# KiCad board cynthion.kicad_pcb
title: ${TITLE}; date: ${DATE}; rev: ${VERSION}; company: ${COPYRIGHT}; note: ${LICENSE}
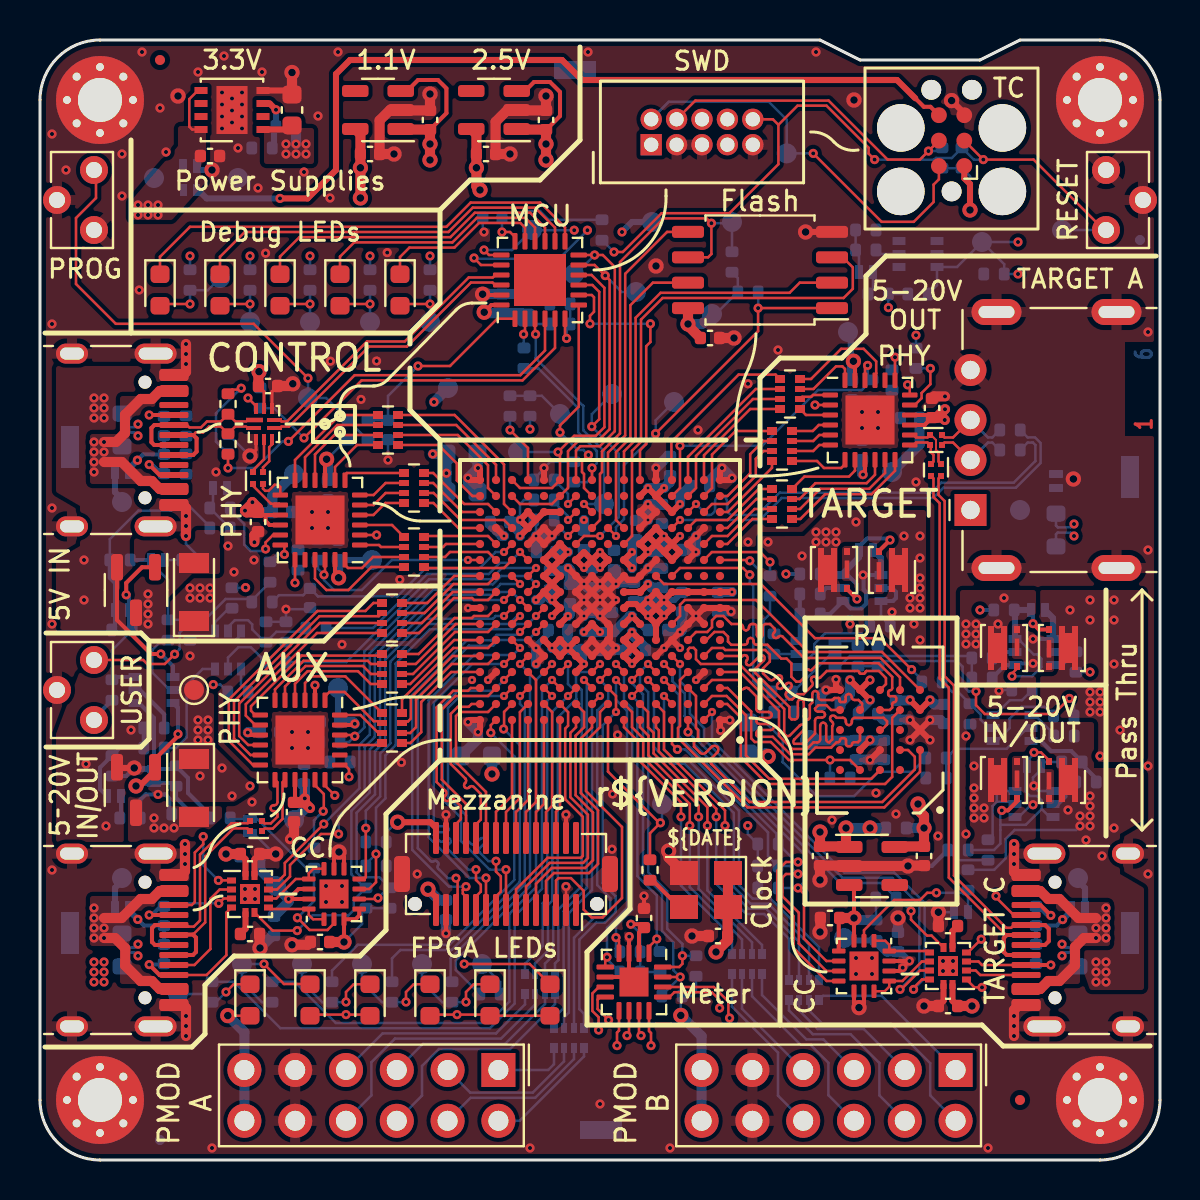
[diagram p0: board, top side]
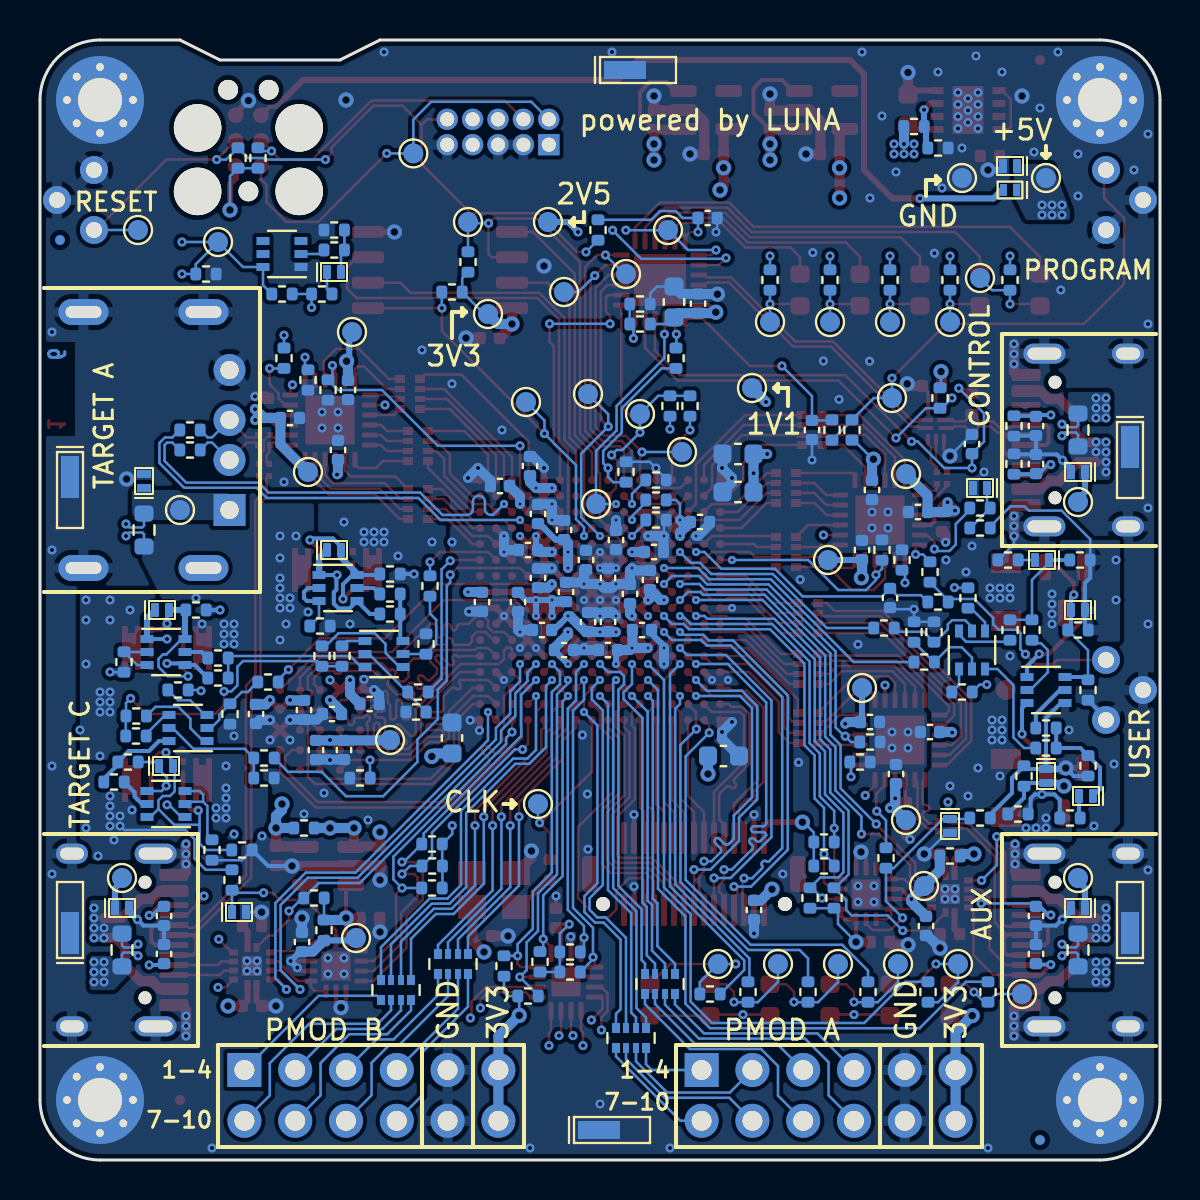
[diagram p1: board, bottom side, seen from below]

Outline 56 x 56 mm; copper layers: Top, In1.Cu, In2.Cu, In3.Cu, In4.Cu, Bottom. Coordinates in mm from the lower left corner of the outline.
Outline path: 0,53 0,3 arc(0.88,0.88) 3,0 53,0 arc(55.12,0.88) 56,3 56,53 arc(55.12,55.12) 53,56 49,56 47,55 41,55 39,56 3,56 arc(0.88,55.12) 0,53
Stack: Top 0.035mm / dielectric 0.0994mm 3313 er 4.05 / In1.Cu 0.0152mm / dielectric 0.55mm FR4 er 4.6 / In2.Cu 0.0152mm / dielectric 0.1088mm 2116 er 4.25 / In3.Cu 0.0152mm / dielectric 0.55mm FR4 er 4.6 / In4.Cu 0.0152mm / dielectric 0.0994mm 3313 er 4.05 / Bottom 0.035mm

## Placement (name value [footprint] x y rotation side)
C1  2.2uF  [C_0603_1608Metric]  21.1 35.3 0 bottom
C2  2.2uF  [C_0603_1608Metric]  21.83 20.2 180 bottom
C3  2.2uF  [C_0603_1608Metric]  21.1 33.4 0 bottom
C4  2.2uF  [C_0603_1608Metric]  35.4 21.1 90 bottom
C5  1uF  [C_0402_1005Metric]  41.4 22.3 0 bottom
C6  1uF  [C_0402_1005Metric]  8.5 50.2 0 top
C7  0.1uF  [C_0402_1005Metric]  28.7 30 270 bottom
C8  1uF  [C_0402_1005Metric]  25.3 30.4 180 bottom
C9  0.1uF  [C_0402_1005Metric]  28.6 26.9 90 bottom
C10  0.1uF  [C_0402_1005Metric]  33.9 11.2 180 top
C11  0.1uF  [C_0402_1005Metric]  27.2 31 90 bottom
C12  0.1uF  [C_0402_1005Metric]  31.1 29.1 90 bottom
C13  1uF  [C_0402_1005Metric]  27.6 26.9 90 bottom
C14  0.1uF  [C_0402_1005Metric]  27.6 25.5 0 bottom
C15  0.1uF  [C_0402_1005Metric]  30.9 26.5 0 bottom
C16  1uF  [C_0402_1005Metric]  25.5 29 90 bottom
C17  1uF  [C_0402_1005Metric]  27.6 29.1 270 bottom
C18  1uF  [C_0402_1005Metric]  29.8 25.5 180 bottom
C19  1uF  [C_0402_1005Metric]  29.7 28.4 90 bottom
C20  2.2uF  [C_0603_1608Metric]  12.6 52.5 90 top
C21  1uF  [C_0402_1005Metric]  42.2 20.5 270 bottom
C22  1uF  [C_0402_1005Metric]  31.1 32.3 90 bottom
C23  1uF  [C_0402_1005Metric]  33 33.7 0 bottom
C24  0.1uF  [C_0402_1005Metric]  26.5 28.3 90 bottom
C25  330pF  [C_0402_1005Metric]  6.2 36.7 270 bottom
C26  0.1uF  [C_0402_1005Metric]  29.8 31.5 90 bottom
C27  0.1uF  [C_0402_1005Metric]  19.5 52 90 top
C28  1uF  [C_0402_1005Metric]  25.3 52 90 top
C29  1uF  [C_0402_1005Metric]  16.5 50.3 0 top
C30  1uF  [C_0402_1005Metric]  22.3 50.3 0 top
C31  0.1uF  [C_0402_1005Metric]  45.2 22.3 270 bottom
C32  0.1uF  [C_0402_1005Metric]  39.52 22.8 180 bottom
C33  0.1uF  [C_0402_1005Metric]  31.6 30.5 0 bottom
C34  1uF  [C_0402_1005Metric]  23.1 42.82 90 bottom
C35  0.1uF  [C_0402_1005Metric]  33.5 41.1 0 top
C36  1uF  [C_0402_1005Metric]  12.1 32.4 0 bottom
C37  1uF  [C_0402_1005Metric]  14.9 30.5 90 bottom
C38  0.1uF  [C_0402_1005Metric]  10.9 31.9 270 top
C39  0.1uF  [C_0402_1005Metric]  14.4 33.5 270 bottom
C40  0.1uF  [C_0402_1005Metric]  30.2 12.1 90 top
C41  1uF  [C_0402_1005Metric]  39.5 12.1 180 top
C42  1uF  [C_0402_1005Metric]  43.5 37.1 180 bottom
C43  1uF  [C_0402_1005Metric]  40.6 38.5 270 bottom
C44  0.1uF  [C_0402_1005Metric]  44.6 37.6 90 top
C45  0.1uF  [C_0402_1005Metric]  42.9 10.9 90 bottom
C46  0.1uF  [C_0402_1005Metric]  11.5 21.4 0 bottom
C47  330pF  [C_0402_1005Metric]  6.2 34.8 90 bottom
C48  1uF  [C_0402_1005Metric]  13.2 19.3 90 bottom
C49  1uF  [C_0402_1005Metric]  14 10.9 180 top
C50  1uF  [C_0402_1005Metric]  14.5 21.9 180 bottom
C51  0.1uF  [C_0402_1005Metric]  11.7 11.7 270 bottom
C52  330pF  [C_0402_1005Metric]  6.2 12.2 270 bottom
C53  330pF  [C_0402_1005Metric]  6.2 10.3 90 bottom
C54  330pF  [C_0402_1005Metric]  49.8 10.3 90 bottom
C55  330pF  [C_0402_1005Metric]  49.8 12.2 270 bottom
C56  1uF  [C_0402_1005Metric]  45.4 7.7 180 top
C57  0.1uF  [C_0402_1005Metric]  45.4 11.7 180 top
C58  1uF  [C_0402_1005Metric]  10.5 15.3 0 top
C59  1uF  [C_0402_1005Metric]  39 15.2 270 top
C60  1uF  [C_0402_1005Metric]  44.2 15.2 270 top
C61  0.1uF  [C_0402_1005Metric]  11.4 38.7 0 top
C62  1nF  [C_0402_1005Metric]  9.4 35.8 90 bottom
C63  0.1uF  [C_0402_1005Metric]  10.5 11.3 0 top
C64  0.1uF  [C_0402_1005Metric]  40.8 20.5 270 bottom
C65  0.1uF  [C_0402_1005Metric]  42.8 22.5 270 bottom
C66  0.1uF  [C_0402_1005Metric]  12.7 17.4 270 top
C67  0.1uF  [C_0402_1005Metric]  41.1 35.5 90 bottom
C73  2.2uF  [C_0603_1608Metric]  24.3 42.9 90 bottom
C74  1uF  [C_0402_1005Metric]  20.3 12.5 270 bottom
C76  1uF  [C_0402_1005Metric]  17.4 36.5 270 bottom
C77  1uF  [C_0402_1005Metric]  22.62 47.1 180 bottom
C78  1uF  [C_0402_1005Metric]  13.5 28.1 270 bottom
C79  1uF  [C_0402_1005Metric]  25.9 26.5 180 bottom
C80  1uF  [C_0402_1005Metric]  23 31.9 180 bottom
C81  1uF  [C_0402_1005Metric]  31.5 34.7 90 bottom
C82  1uF  [C_0402_1005Metric]  33.9 27.9 270 bottom
C83  1uF  [C_0402_1005Metric]  32.1 27.9 270 bottom
D1  D  [D_SOD-123FL]  7.7 18.6 270 top
D2  RED  [LED_0603_1608Metric]  10.5 8 270 top
D3  ORANGE  [LED_0603_1608Metric]  13.5 8 270 top
D4  YELLOW  [LED_0603_1608Metric]  16.5 8 270 top
D5  GREEN  [LED_0603_1608Metric]  19.5 8 270 top
D6  BLUE  [LED_0603_1608Metric]  22.5 8 270 top
D7  PURPLE  [LED_0603_1608Metric]  25.5 8 270 top
D8  D  [D_SOD-123FL]  7.7 28.4 90 top
D9  SCHOTTKY  [DSN1006-2]  7.5 48.5 0 bottom
D10  ICE BLUE  [LED_0603_1608Metric]  6 43.5 270 top
D11  PINK  [LED_0603_1608Metric]  9 43.5 270 top
D12  WHITE  [LED_0603_1608Metric]  12 43.5 270 top
D13  PINK  [LED_0603_1608Metric]  15 43.5 270 top
D14  ICE BLUE  [LED_0603_1608Metric]  18 43.5 270 top
D15  24±2%  [DFN1006-2]  10.5 16.7 270 bottom
D16  6.2±2%  [DFN1006-2]  4.1 27.5 0 bottom
D17  5.6±2%  [DFN1006-2]  5.9 30 0 bottom
D18  24±2%  [DFN1006-2]  46.05 12.4 180 bottom
D19  6.2±2%  [DFN1006-2]  7.5 49.7 0 bottom
D20  6.2±2%  [DFN1006-2]  5.7 19.2 270 bottom
D21  5.6±2%  [DFN1006-2]  3.7 18.2 0 bottom
D22  24±2%  [DFN1006-2]  9 33.6 0 bottom
D23  TVS  [DFN1006-2]  4.1 34.4 0 bottom
D24  TVS  [DFN1006-2]  50.8 33.95 90 bottom
D25  TVS  [DFN1006-2]  4.1 12.6 0 bottom
D26  TVS  [DFN1006-2]  51.9 12.6 180 bottom
D27  6.2±2%  [DFN1006-2]  41.3 30.5 180 bottom
D28  6.2±2%  [DFN1006-2]  49.9 27.5 180 bottom
D29  6.2±2%  [DFN1006-2]  49.7 19.7 180 bottom
D30  3.0±2%  [DFN1006-2]  41.3 44.4 180 bottom
FID1  Fiducial  [Fiducial_0.5mm_Mask1mm]  6 55 0 top
FID2  Fiducial  [Fiducial_0.5mm_Mask1mm]  49 3 0 top
FID3  Fiducial  [Fiducial_0.5mm_Mask1mm]  55 46 180 bottom
FID4  Fiducial  [Fiducial_0.5mm_Mask1mm]  6 1 180 bottom
FL1  Filter_EMI_CommonMode  [L_CommonModeChoke_Murata_DLM0NS]  10.8 16.7 180 top
FL2  Filter_EMI_CommonMode  [L_CommonModeChoke_Murata_DLM0NS]  44.8 36 0 top
FL3  Filter_EMI_CommonMode  [L_CommonModeChoke_Murata_DLM0NS]  10.9 34.1 90 top
FL4  Filter_EMI_CommonMode  [L_CommonModeChoke_Murata_DLM0NS]  44.8 34.5 270 top
H1  MountingHole  [MountingHole_2.2mm_M2_Pad_Via]  3 3 0 top
H2  MountingHole  [MountingHole_2.2mm_M2_Pad_Via]  3 53 0 top
H3  MountingHole  [MountingHole_2.2mm_M2_Pad_Via]  53 53 0 top
H4  MountingHole  [MountingHole_2.2mm_M2_Pad_Via]  53 3 0 top
IC1  ECP5-BGA256  [lattice_cabga256]  28 28 180 top
J1  USB_C  [USB_C_Receptacle_HRO_TYPE-C-31-M-12]  2.65 11 270 top
J2  USB_C  [USB_C_Receptacle_HRO_TYPE-C-31-M-12]  2.65 36 270 top
J3  USB_A  [USB_A_Kycon_KUSBXHT-SB-AS1N-B30-NF_Horizontal]  46.53 32.5 90 top
J4  USB_C  [USB_C_Receptacle_HRO_TYPE-C-31-M-12]  53.35 11 90 top
J5  MEZZANINE  [Amphenol_10132798-03]  23.3 14.3 180 top
J6  MCU_SWD  [SWD_CONNECTOR_LARGE_BOX]  33.1 51.4 0 top
J7  PMOD_A  [PinSocket_2x06_P2.54mm_PMOD]  22.92 4.5 90 top
J8  PMOD_B  [PinSocket_2x06_P2.54mm_PMOD]  45.78 4.5 90 top
J10  TC_SWD  [Tag-Connect_TC2030-IDC-FP_2x03_P1.27mm_Vertical]  45.58 50.97 90 top
J11  SPRING_CONTACT  [BW0033AG-L3.4W0.9H1.8]  1.5 12 90 bottom
J12  SPRING_CONTACT  [BW0033AG-L3.4W0.9H1.8]  1.5 35 270 bottom
J13  SPRING_CONTACT  [BW0033AG-L3.4W0.9H1.8]  54.5 33.5 270 bottom
J14  SPRING_CONTACT  [BW0033AG-L3.4W0.9H1.8]  54.5 12 90 bottom
J15  SPRING_CONTACT  [BW0033AG-L3.4W0.9H1.8]  27.4 1.5 180 bottom
J16  SPRING_CONTACT  [BW0033AG-L3.4W0.9H1.8]  26.1 54.5 180 bottom
Q1  PMOS  [Vishay_PowerPAK_SC70-6L_Single]  39.7 29.5 90 top
Q2  PMOS  [Vishay_PowerPAK_SC70-6L_Single]  42.6 29.5 270 top
Q3  2NPN  [SOT-363_SC-70-6]  38.8 25.3 180 bottom
Q4  PMOS  [Vishay_PowerPAK_SC70-6L_Single]  51.1 25.6 270 top
Q5  PMOS  [Vishay_PowerPAK_SC70-6L_Single]  48.2 25.6 90 top
Q6  PMOS  [Vishay_PowerPAK_SC70-6L_Single]  48.2 19 90 top
Q7  PMOS  [Vishay_PowerPAK_SC70-6L_Single]  51.1 19 270 top
Q8  2NPN  [SOT-363_SC-70-6]  48.6 21.6 0 bottom
Q9  PMOS  [SOT-23-3]  4.8 28.5 270 top
Q10  2PNP  [SOT-363_SC-70-6]  5.7 23.5 180 bottom
Q11  2NPN  [SOT-363_SC-70-6]  9.4 25.5 90 bottom
Q12  PMOS  [SOT-23-3]  4.8 18.5 270 top
Q13  2PNP  [SOT-363_SC-70-6]  41.1 28.6 180 bottom
Q14  2PNP  [SOT-363_SC-70-6]  49.7 25.4 180 bottom
Q15  2PNP  [SOT-363_SC-70-6]  49.7 17.8 0 bottom
Q16  2NPN  [SOT-363_SC-70-6]  43.9 45.3 0 bottom
R1  0.02±1%  [R_0603_1608Metric_Current_Sense]  4.1 36.5 90 bottom
R2  0.02±1%  [R_0603_1608Metric_Current_Sense]  50.8 31.5 90 bottom
R3  33k  [R_0402_1005Metric]  38.5 27.3 180 bottom
R4  8.06k±1%  [R_0402_1005Metric]  41.91 43.3 180 bottom
R5  2.2k  [R_0402_1005Metric]  23.5 37.7 270 bottom
R6  5.1k  [R_0402_1005Metric]  24.5 37.7 90 bottom
R7  5.1k  [R_0402_1005Metric]  7.5 44 270 bottom
R8  2.2k  [R_0402_1005Metric]  10.5 44 270 bottom
R9  2.2k  [R_0402_1005Metric]  13.5 44 270 bottom
R10  2.2k  [R_0402_1005Metric]  16.5 44 270 bottom
R11  5.1k  [R_0402_1005Metric]  19.5 44 270 bottom
R12  330  [R_0402_1005Metric]  25.2 32 180 bottom
R13  5.1k  [R_0402_1005Metric]  25.2 33 180 bottom
R14  330  [R_0402_1005Metric]  25.2 34 180 bottom
R15  10k  [R_0402_1005Metric]  11 38.1 270 bottom
R16  8.06k±1%  [R_0402_1005Metric]  12.9 30 270 bottom
R17  20k  [R_0402_1005Metric]  9 32.6 0 bottom
R18  8.06k±1%  [R_0402_1005Metric]  42.6 39 90 bottom
R19  20k  [R_0402_1005Metric]  43.8 40.09 270 bottom
R20  8.06k±1%  [R_0402_1005Metric]  15 19.9 0 bottom
R21  20k  [R_0402_1005Metric]  13.7 15.1 90 bottom
R22  10k  [R_0402_1005Metric]  13.9 30.5 90 bottom
R23  10k  [R_0402_1005Metric]  41.6 38.5 270 bottom
R24  10k  [R_0402_1005Metric]  14.5 20.9 180 bottom
R25  820k  [R_0402_1005Metric]  46.1 50.1 90 bottom
R26  1k  [R_0402_1005Metric]  8.6 8.4 90 bottom
R27  1k  [R_0402_1005Metric]  11.6 8.4 90 bottom
R28  1k  [R_0402_1005Metric]  14.6 8.4 90 bottom
R29  10k  [R_0402_1005Metric]  17.6 8.4 90 bottom
R30  2.2k  [R_0402_1005Metric]  20.6 8.4 90 bottom
R31  2.2k  [R_0402_1005Metric]  22.5 8.3 180 bottom
R32  0  [R_0402_1005Metric]  10.5 15.2 180 bottom
R33  2.2k  [R_0402_1005Metric]  16.8 15.9 180 bottom
R34  5.1k  [R_0402_1005Metric]  7.3 36.7 90 bottom
R35  5.1k  [R_0402_1005Metric]  7.3 34.8 270 bottom
R36  0  [R_0402_1005Metric]  41.8 11.49 90 bottom
R37  10k  [R_0402_1005Metric]  36.4 13.6 0 bottom
R38  2.2k  [R_0402_1005Metric]  16.8 14.7 180 bottom
R39  10k  [R_0402_1005Metric]  17.5 13.1 90 bottom
R40  2.2k  [R_0402_1005Metric]  37.1 23.4 180 bottom
R41  10k  [R_0402_1005Metric]  37.2 22.4 0 bottom
R42  0.02±1%  [R_0603_1608Metric_Current_Sense]  4.1 10.5 90 bottom
R43  33k  [R_0402_1005Metric]  43.9 43.3 0 bottom
R44  5.1k  [R_0402_1005Metric]  9 17.1 180 bottom
R45  5.1k  [R_0402_1005Metric]  46.4 14 90 bottom
R46  5.1k  [R_0402_1005Metric]  9 31.6 180 bottom
R47  33k  [R_0402_1005Metric]  6.4 26.5 90 bottom
R48  33k  [R_0402_1005Metric]  5.7 21.6 180 bottom
R49  33k  [R_0402_1005Metric]  49.1 23.5 0 bottom
R50  0  [R_0402_1005Metric]  41.29 45.5 0 bottom
R51  8.06k±1%  [R_0402_1005Metric]  41.29 46.5 0 bottom
R52  29.4k±1%  [R_0402_1005Metric]  26 41.8 0 bottom
R53  8.06k±1%  [R_0402_1005Metric]  26 42.8 180 bottom
R54  0  [R_0402_1005Metric]  42.8 16.6 0 bottom
R55  820k  [R_0402_1005Metric]  9.4 37.8 90 top
R56  820k  [R_0402_1005Metric]  9.4 35.8 90 top
R57  1k  [R_0402_1005Metric]  48.5 35.5 0 bottom
R58  1k  [R_0402_1005Metric]  48.5 36.5 0 bottom
R59  0.02±1%  [R_0603_1608Metric_Current_Sense]  51.9 10.5 90 bottom
R60  33k  [R_0402_1005Metric]  47.1 24.1 180 bottom
R61  33k  [R_0402_1005Metric]  51.6 19.9 0 bottom
R62  100k  [R_0402_1005Metric]  38.5 28.3 0 bottom
R63  2.2k  [R_0402_1005Metric]  36.5 28.7 90 bottom
R64  10k  [R_0402_1005Metric]  36.7 25.8 90 bottom
R65  2.2k  [R_0402_1005Metric]  44.6 23.9 180 bottom
R66  10k  [R_0402_1005Metric]  46.5 22.3 270 bottom
R67  18.7k±1%  [R_0402_1005Metric]  4 30 0 bottom
R68  820k  [R_0402_1005Metric]  4.1 26.5 0 bottom
R69  33k  [R_0402_1005Metric]  7.5 26.5 270 bottom
R70  33k  [R_0402_1005Metric]  3.6 23.5 270 bottom
R71  2.2k  [R_0402_1005Metric]  11.79 24.9 0 bottom
R72  10k  [R_0402_1005Metric]  12.3 26.4 90 bottom
R73  18.7k±1%  [R_0402_1005Metric]  7.6 30 0 bottom
R74  18.7k±1%  [R_0402_1005Metric]  3.6 19.71 90 bottom
R75  820k  [R_0402_1005Metric]  6.8 19.2 270 bottom
R76  33k  [R_0402_1005Metric]  5.7 20.6 0 bottom
R77  33k  [R_0402_1005Metric]  7.1 17.3 180 bottom
R78  2.2k  [R_0402_1005Metric]  13.8 26.6 0 bottom
R79  10k  [R_0402_1005Metric]  11.3 26.4 90 bottom
R80  18.7k±1%  [R_0402_1005Metric]  4.5 17.1 0 bottom
R81  57.6k±1%  [R_0402_1005Metric]  12.3 51.67 180 bottom
R82  18.7k±1%  [R_0402_1005Metric]  11.1 50.6 180 bottom
R83  2.2k  [R_0402_1005Metric]  29.5 10.4 180 bottom
R84  2.2k  [R_0402_1005Metric]  29.5 9.4 180 bottom
R85  10k  [R_0402_1005Metric]  31 9.91 90 bottom
R86  10k  [R_0402_1005Metric]  31.6 8.2 180 bottom
R87  5.1k  [R_0402_1005Metric]  32.8 9.7 90 bottom
R88  2.2k  [R_0402_1005Metric]  44.8 20.1 180 bottom
R89  10k  [R_0402_1005Metric]  44.8 19.1 180 bottom
R90  100k  [R_0402_1005Metric]  38.5 29.3 0 bottom
R91  100k  [R_0402_1005Metric]  42 26.7 0 bottom
R92  100k  [R_0402_1005Metric]  47.1 25.1 0 bottom
R93  100k  [R_0402_1005Metric]  52.3 18.9 180 bottom
R94  100k  [R_0402_1005Metric]  48.2 27.5 0 bottom
R95  100k  [R_0402_1005Metric]  51.8 24.9 90 bottom
R96  100k  [R_0402_1005Metric]  45.9 15.5 0 bottom
R97  2.2k  [R_0402_1005Metric]  36.4 15.8 0 bottom
R98  2.2k  [R_0402_1005Metric]  36.39 14.7 0 bottom
R99  10k  [R_0402_1005Metric]  16.3 13.1 90 bottom
R100  10k  [R_0402_1005Metric]  42.3 13.1 0 bottom
R101  8.06k±1%  [R_0402_1005Metric]  15.4 36.5 90 bottom
R102  5.1k  [R_0402_1005Metric]  26.7 34.4 90 bottom
R103  0  [R_0402_1005Metric]  51.2 21.2 0 bottom
R104  18.7k±1%  [R_0402_1005Metric]  16.4 36.5 270 bottom
R105  8.06k±1%  [R_0402_1005Metric]  28.1 46.5 90 bottom
R106  10k  [R_0402_1005Metric]  11.5 29.4 270 bottom
R107  33k  [R_0402_1005Metric]  11.1 27.9 180 bottom
R108  330  [R_0402_1005Metric]  30.5 14.5 270 top
R109  5.1k  [R_0402_1005Metric]  34.6 44.9 90 bottom
R110  5.1k  [R_0402_1005Metric]  35.4 43.4 0 bottom
R111  10k  [R_0402_1005Metric]  45.1 50.1 90 bottom
R112  0  [R_0402_1005Metric]  40.9 25.2 270 bottom
R113  0  [R_0402_1005Metric]  9.9 23.4 180 bottom
R114  0  [R_0402_1005Metric]  51.19 22.2 0 bottom
R115  0  [R_0402_1005Metric]  41.9 25.2 270 bottom
R116  0  [R_0402_1005Metric]  9.6 28.1 90 bottom
R117  0  [R_0402_1005Metric]  47.7 44.3 0 bottom
R118  1k  [R_0402_1005Metric]  24.2 40.09 90 bottom
R119  5.1k  [R_0402_1005Metric]  40 19.1 0 bottom
R120  100k  [R_0402_1005Metric]  47.4 15.5 90 bottom
RN1  33  [R_Array_Convex_4x0402]  26.45 6.1 270 bottom
RN2  33  [R_Array_Convex_4x0402]  25 8.8 270 bottom
RN3  33  [R_Array_Convex_4x0402]  35.35 9.8 270 bottom
RN4  33  [R_Array_Convex_4x0402]  38.2 8.5 270 bottom
RN5  0  [R_Array_Convex_4x0402]  18.7 30.4 180 top
RN6  0  [R_Array_Convex_4x0402]  18.7 33.6 180 top
RN7  0  [R_Array_Convex_4x0402]  17.4 36.5 180 top
RN8  0  [R_Array_Convex_4x0402]  17.6 21.6 180 top
RN9  0  [R_Array_Convex_4x0402]  17.6 24.55 180 top
RN10  0  [R_Array_Convex_4x0402]  17.6 27.1 180 top
RN11  0  [R_Array_Convex_4x0402]  37.5 38.3 0 top
RN12  0  [R_Array_Convex_4x0402]  37.1 35.7 0 top
RN13  0  [R_Array_Convex_4x0402]  37.1 32.8 0 top
SW1  BTN_PROGRAM  [SW_Tactile_SPST_Angled_TC-1109DE-B-F]  2.7 49.5 90 top
SW2  BTN_RESET  [SW_Tactile_SPST_Angled_TC-1109DE-B-F]  53.3 46.5 270 top
SW3  BTN_USER  [SW_Tactile_SPST_Angled_TC-1109DE-B-F]  2.7 25 90 top
TP1  TestPoint  [TestPoint_Pad_D1.0mm]  31.1 17.8 0 bottom
TP2  TestPoint  [TestPoint_Pad_D1.0mm]  12.7 17 180 bottom
TP3  TestPoint  [TestPoint_Pad_D1.0mm]  33.6 42.3 0 bottom
TP4  TestPoint  [TestPoint_Pad_D1.0mm]  20.4 38.6 0 bottom
TP5  TestPoint  [TestPoint_Pad_D1.0mm]  30.6 46.9 180 bottom
TP6  TestPoint  [TestPoint_Pad_D1.0mm]  38.5 21 180 bottom
TP7  TestPoint  [TestPoint_Pad_D1.0mm]  49 32.5 180 bottom
TP8  TestPoint  [TestPoint_Pad_D1.0mm]  47.1 45.9 180 bottom
TP9  TestPoint  [TestPoint_Pad_D1.0mm]  42.6 34.4 180 bottom
TP10  TestPoint  [TestPoint_Pad_D1.0mm]  34.6 46.9 0 bottom
TP11  TestPoint  [TestPoint_Pad_D1.0mm]  31.7 37.9 0 bottom
TP12  TestPoint  [TestPoint_Pad_D1.0mm]  28.2 32.8 0 bottom
TP14  TestPoint  [TestPoint_Pad_D1.0mm]  26 37.3 0 bottom
TP15  TestPoint  [TestPoint_Pad_D1.0mm]  13.4 38.1 180 bottom
TP16  TestPoint  [TestPoint_Pad_D1.0mm]  4.1 32.9 0 bottom
TP17  TestPoint  [TestPoint_Pad_D1.0mm]  16.6 30 0 bottom
TP18  TestPoint  [TestPoint_Pad_D1.0mm]  51.1 46.5 0 bottom
TP19  TestPoint  [TestPoint_Pad_D1.0mm]  24.6 46.5 0 bottom
TP20  TestPoint  [TestPoint_Pad_D1.0mm]  37.34 50.33 0 bottom
TP21  TestPoint  [TestPoint_Pad_D1.0mm]  26.7 44.3 0 bottom
TP22  TestPoint  [TestPoint_Pad_D1.0mm]  23.9 35.4 0 bottom
TP23  TestPoint  [TestPoint_Pad_D1.0mm]  28.6 38.3 0 bottom
TP24  TestPoint  [TestPoint_Pad_D1.0mm]  29.8 43.4 0 bottom
TP26  TestPoint  [TestPoint_Pad_D1.0mm]  12.7 34.3 180 bottom
TP27  TestPoint  [TestPoint_Pad_D1.0mm]  40.4 41.4 0 bottom
TP28  TestPoint  [TestPoint_Pad_D1.0mm]  9.9 49.1 0 bottom
TP30  TestPoint  [TestPoint_Pad_D1.0mm]  5.7 49.1 90 bottom
TP31  TestPoint  [TestPoint_Pad_D1.0mm]  9 44.1 180 bottom
TP32  TestPoint  [TestPoint_Pad_D1.0mm]  10.5 41.9 180 bottom
TP34  TestPoint  [TestPoint_Pad_D1.0mm]  4.1 14.1 0 bottom
TP35  TestPoint  [TestPoint_Pad_D1.0mm]  14.9 23.6 90 bottom
TP36  TestPoint  [TestPoint_Pad_D1.0mm]  40.2 11.1 90 bottom
TP37  TestPoint  [TestPoint_Pad_D1.0mm]  11.8 13.7 0 bottom
TP38  TestPoint  [TestPoint_Pad_D1.0mm]  13.5 41.9 180 bottom
TP39  TestPoint  [TestPoint_Pad_D1.0mm]  16.5 41.9 180 bottom
TP40  TestPoint  [TestPoint_Pad_D1.0mm]  51.9 14.1 180 bottom
TP41  TestPoint  [TestPoint_Pad_D1.0mm]  19.5 41.9 180 bottom
TP43  TestPoint  [TestPoint_Pad_D1.0mm]  6.9 8.3 180 bottom
TP47  TestPoint  [TestPoint_Pad_D1.0mm]  10.1 9.8 180 bottom
TP49  TestPoint  [TestPoint_Pad_D1.0mm]  7.7 23.5 0 top
TP52  TestPoint  [TestPoint_Pad_D1.0mm]  13.1 9.8 180 bottom
TP53  TestPoint  [TestPoint_Pad_D1.0mm]  16.1 9.8 180 bottom
TP54  TestPoint  [TestPoint_Pad_D1.0mm]  19.1 9.8 180 bottom
TP55  TestPoint  [TestPoint_Pad_D1.0mm]  22.1 9.8 180 bottom
U1  PAC1954  [QFN-16-1EP_3x3mm_P0.5mm_EP1.45x1.45mm]  29.7 8.9 270 top
U2  FUSB302B  [WQFN-14-1EP_2.5x2.5mm_P0.5mm_EP1.45x1.45mm]  41.2 9.7 270 top
U3  3V3REG  [DFN-8-1EP_3x3mm_P0.65mm_EP1.55x2.4mm]  9.6 52.5 180 top
U4  1V15REG  [SOT-23-5]  16.9 52.5 180 top
U5  2V5REG  [SOT-23-5]  22.7 52.5 180 top
U6  ATSAMD11  [QFN-24-1EP_4x4mm_P0.5mm_EP2.6x2.6mm]  25 44 90 top
U7  W25Q32JVSS  [SOIC-8_5.23x5.23mm_P1.27mm]  36 44.5 180 top
U8  USB3343-CP  [VQFN-24-1EP_4x4mm_P0.5mm_EP2.45x2.45mm]  14 32 180 top
U9  USB3343-CP  [VQFN-24-1EP_4x4mm_P0.5mm_EP2.45x2.45mm]  41.5 37 0 top
U10  HyperRAM  [BGA-24_5x5_6.0x8.0mm]  42 21.5 180 top
U11  USB3343-CP  [VQFN-24-1EP_4x4mm_P0.5mm_EP2.45x2.45mm]  13 21 270 top
U12  FUSB302B  [WQFN-14-1EP_2.5x2.5mm_P0.5mm_EP1.45x1.45mm]  14.7 13.3 90 top
U13  DPO2036  [Diodes_UQFN2020-12_Type-B]  45.4 9.7 180 top
U14  DPO2036  [Diodes_UQFN2020-12_Type-B]  10.5 13.3 0 top
U15  1V8REG  [SOT-23-5]  41.6 14.7 0 top
U16  PI3USB102G  [Diodes_10-TQFN_ZL]  11.2 36.8 0 top
Y1  Osc60MHz  [Crystal_SMD_3225-4Pin_3.2x2.5mm]  33.3 13.5 180 top

## Library data of the parts
C1-C4 C20 C73 = -: Description: Unpolarized capacitor; Manufacturer: Samsung; Part Number: CL10A225KP8NNNC; Substitution: any equivalent
C5 C6 C8 C13 C16-C19 C21-C23 C28-C30 C34 C36 C37 C41-C43 C48-C50 C56 C58-C60 C74 C76-C83 = -: Description: Unpolarized capacitor; Manufacturer: Samsung; Part Number: CL05A105MQ5NNNC; Substitution: CL05A105KQ5NNNC, CL05A105KP5NNNC, CL05A105KO5NNNC
C7 C9-C12 C14 C15 C24 C26 C27 C31-C33 C35 C38-C40 C44-C46 C51 C57 C61 C63-C67 = -: Description: Unpolarized capacitor; Manufacturer: Samsung; Part Number: CL05A104KA5NNNC; Substitution: any equivalent
C25 C47 C52-C55 = -: Description: Unpolarized capacitor; Manufacturer: Samsung; Part Number: CL05C331JB5NNNC; Substitution: any equivalent
C62 = -: Description: Unpolarized capacitor; Manufacturer: Samsung; Part Number: CL05B102KB5NNNC; Substitution: any equivalent
D1 D8 = -: Description: Diode; Manufacturer: Yangzhou Yangjie; Part Number: U1D
D2 = -: Description: Light emitting diode; Manufacturer: OptoSupply; Part Number: OSR50603C1E
D3 = -: Description: Light emitting diode; Manufacturer: EKINGLUX; Part Number: E6C0603SEAC1UDA
D4 = -: Description: Light emitting diode; Manufacturer: EKINGLUX; Part Number: E6C0603UYAC1UDA
D5 = -: Description: Light emitting diode; Manufacturer: Orient; Part Number: ORH-G36G
D6 = -: Description: Light emitting diode; Manufacturer: Orient; Part Number: ORH-B36G
D7 = -: Description: Light emitting diode; Manufacturer: OptoSupply; Part Number: OSVX0603C1E
D9 = -: Description: Schottky diode; Manufacturer: Nexperia; Part Number: PMEG4010ESBYL; Substitution: Diodes Inc. BAT54LP-7, Micro Commercial SM5819L2-TP
D10 D14 = -: Description: Light emitting diode; Manufacturer: MEIHUA; Part Number: MHT192WDT-ICE
D11 D13 = -: Description: Light emitting diode; Manufacturer: OptoSupply; Part Number: OSK40603C1E
D12 = -: Description: Light emitting diode; Manufacturer: Orient; Part Number: ORH-W46G
D15 D18 D22 = -: Description: Zener diode; Manufacturer: Nexperia; Part Number: BZX884-B24,315
D16 D20 = -: Description: Zener diode; DNP: DNP; Manufacturer: Nexperia; Part Number: BZX884-B6V2,315
D17 D21 = -: Description: Zener diode; Manufacturer: Nexperia; Part Number: BZX884-B5V6,315
D19 D27-D29 = -: Description: Zener diode; Manufacturer: Nexperia; Part Number: BZX884-B6V2,315
D23-D26 = -: Description: Zener diode; Manufacturer: Nexperia; Part Number: PESD36VS1UL,315
D30 = -: Description: Zener diode; Manufacturer: Nexperia; Part Number: BZX884-B3V0,315
FID1-FID4 = -: Description: Fiducial Marker
FL1-FL4 = -: Description: EMI 2-inductor common mode filter; Manufacturer: Murata; Part Number: DLM0NSB280HY2D
H1-H4 = -: Description: Mounting Hole with connection
IC1 = -: Description: FPGA - Field Programmable Gate Array ECP5; 12k LUTs; 1.1V; Manufacturer: Lattice; Part Number: LFE5U-12F-6BG256C; Substitution: LFE5U-12F-*BG256*, LFE5U-25F-*BG256*